# Altium PCB Pi4GPU_v1.PcbDoc (part 1 of 4) (continued)
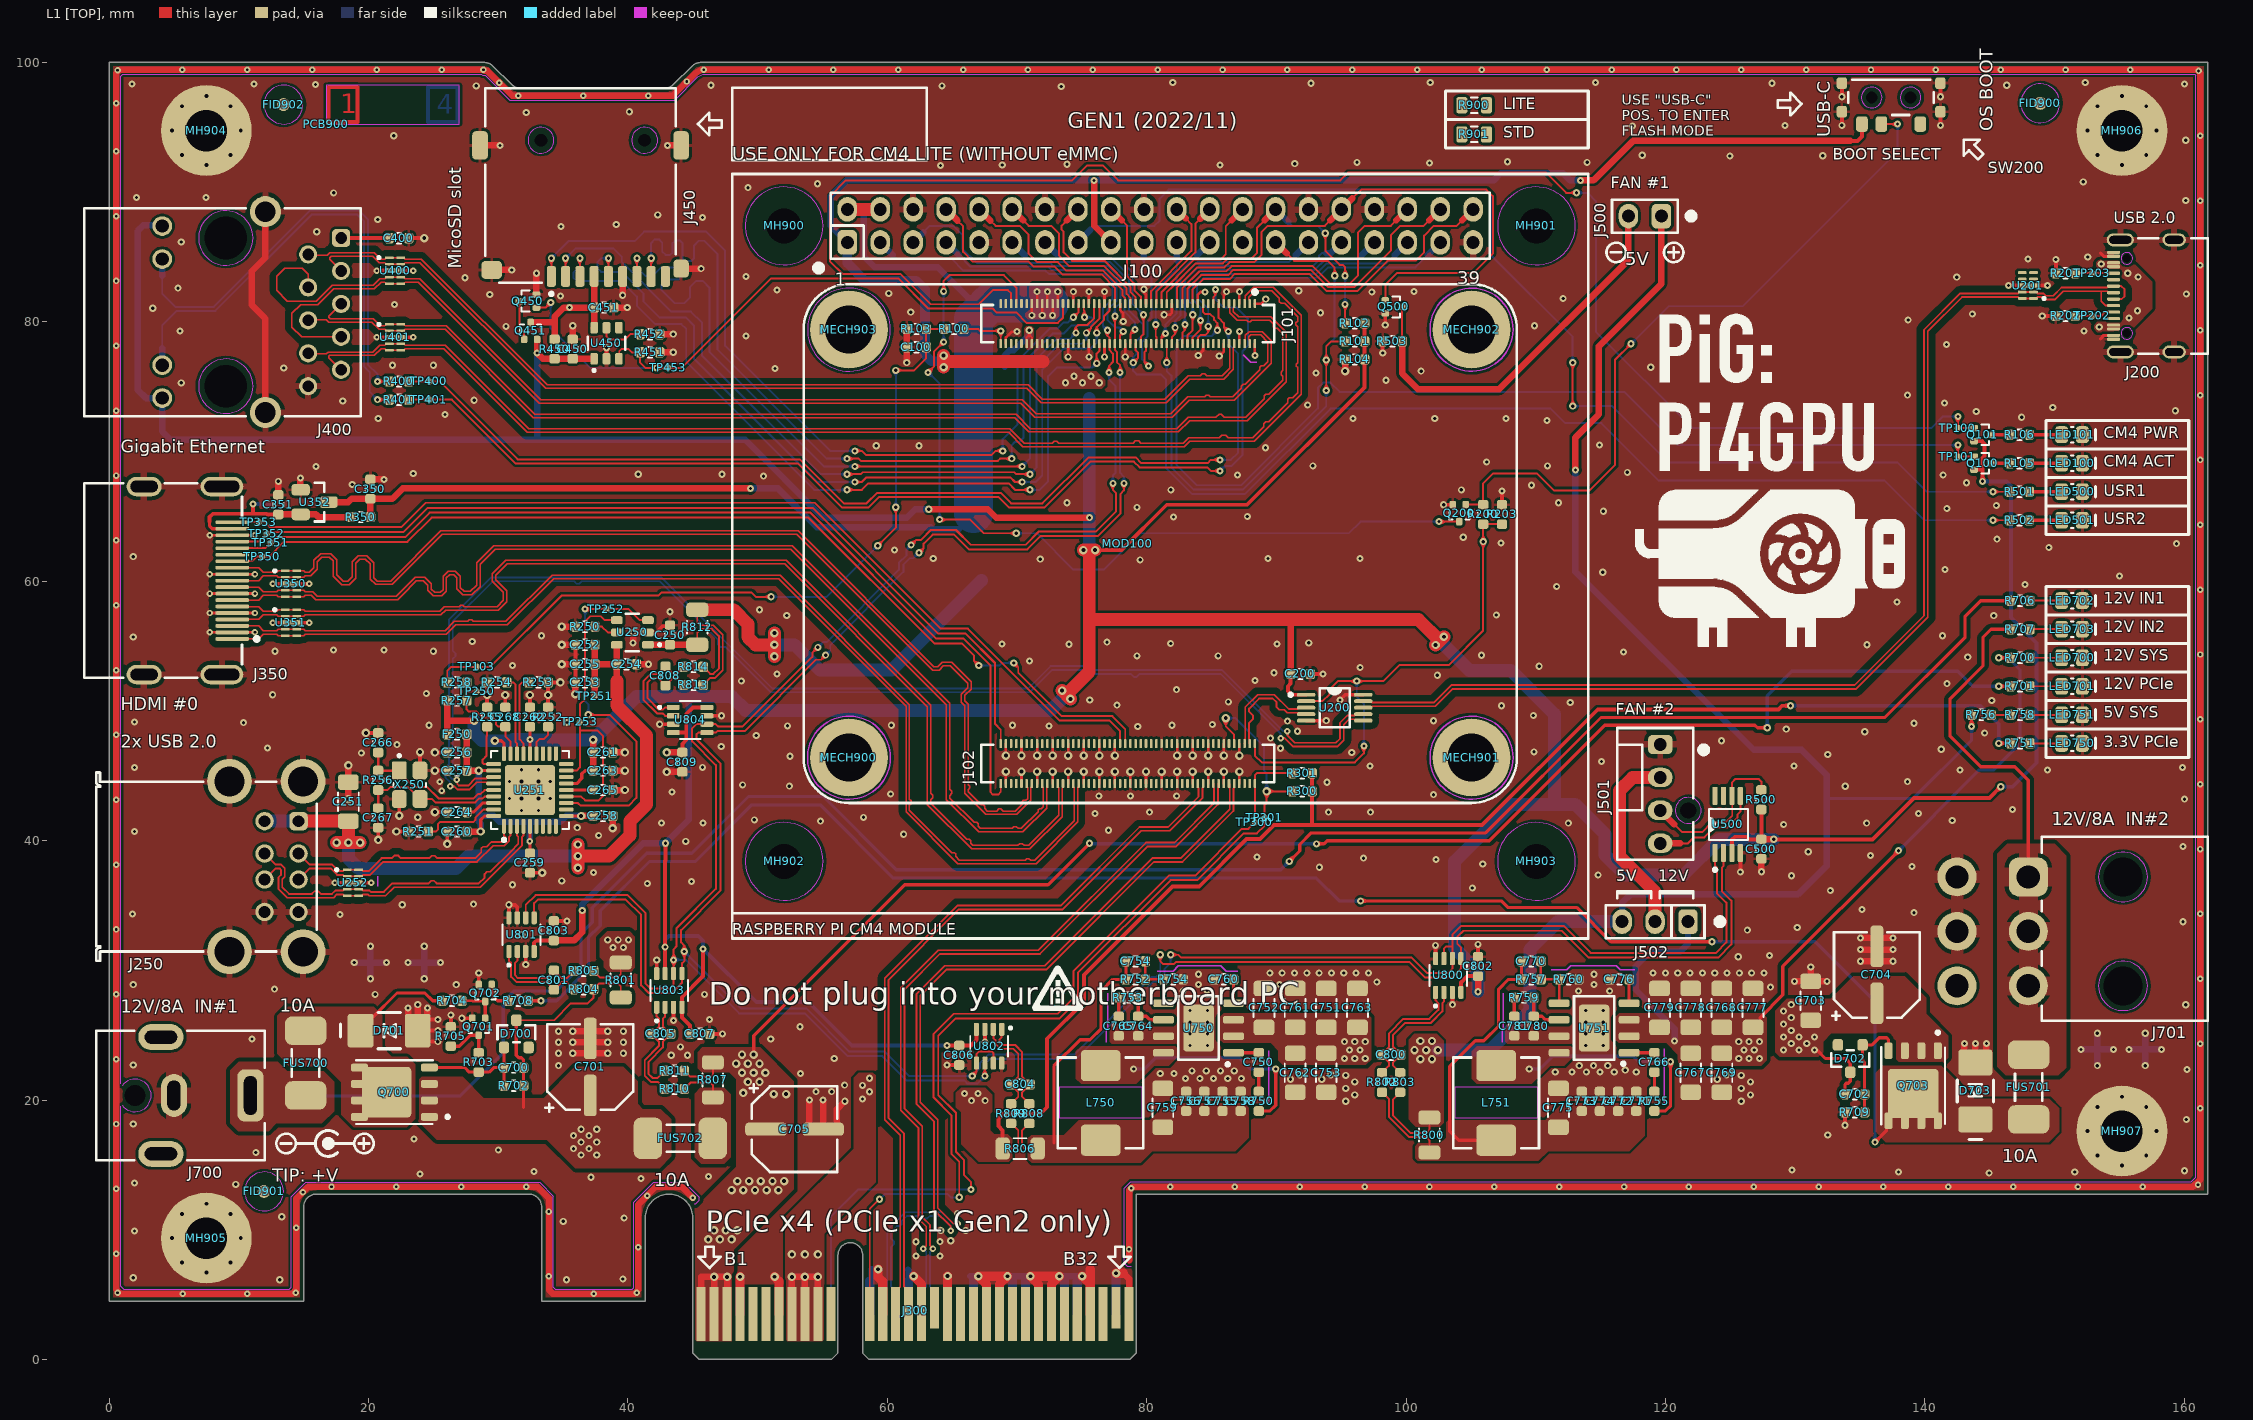
[diagram p0: L1 [TOP] view]
## Classes and differential pairs
component class NearPCBEdge: J200 J250 J350 J400 J450 J700 J701
net class SD: CM_SD_CLK CM_SD_CMD CM_SD_DAT0 CM_SD_DAT1 CM_SD_DAT2 CM_SD_DAT3
net class 12VDC: PP12000H_IN1 PP12000H_IN2 PP12000H_PCIE PP12000H_PCIE_R PP12000H_SYS PP12000H_SYS_R
differential pair class HDMI: CM_HDMI0_CLK CM_HDMI0_D0 CM_HDMI0_D1 CM_HDMI0_D2
differential pair class ETH: ETH_D0 ETH_D1 ETH_D2 ETH_D3
differential pair class PCIE: PCIe_CLK PCIe_RX PCIe_TX
differential pair class USB: CM_USB_D USB1 USB2 USB-C_D USB-H
differential pair USB-H: +USB-H_P -USB-H_N
differential pair USB-C_D: +USB-C_D_P -USB-C_D_N
differential pair USB2: +USB2_P -USB2_N
differential pair USB1: +USB1_P -USB1_N
differential pair PCIe_TX: +PCIe_TX_P -PCIe_TX_N
differential pair PCIe_RX: +PCIe_RX_P -PCIe_RX_N
differential pair PCIe_CLK: +PCIe_CLK_P -PCIe_CLK_N
differential pair ETH_D3: +ETH_D3_P -ETH_D3_N
differential pair ETH_D2: +ETH_D2_P -ETH_D2_N
differential pair ETH_D1: +ETH_D1_P -ETH_D1_N
differential pair ETH_D0: +ETH_D0_P -ETH_D0_N
differential pair CM_USB_D: +CM_USB_D_P -CM_USB_D_N
differential pair CM_HDMI0_D2: +CM_HDMI0_D2_P -CM_HDMI0_D2_N
differential pair CM_HDMI0_D1: +CM_HDMI0_D1_P -CM_HDMI0_D1_N
differential pair CM_HDMI0_D0: +CM_HDMI0_D0_P -CM_HDMI0_D0_N
differential pair CM_HDMI0_CLK: +CM_HDMI0_CLK_P -CM_HDMI0_CLK_N

## Components (designator, comment, footprint, x,y, rotation, side; value= is the part's Value field where it differs from the comment)
C100 "DNP" CAP_0603_R 62.25,78.05 r0 top
C200 "100nF" CAP_0603_R 91.85,52.85 r180 top
C250 "10uF" CAP_0603_R 43.25,55.85 r270 top
C251 "100uF/6V3" CAP_1206_R 18.45,43 r270 top
C252 "10uF" CAP_0603_R 36.7,55.1 r0 top
C253 "10uF" CAP_0603_R 36.7,52.2 r0 top
C254 "10uF" CAP_0603_R 39.9,53.6 r180 top
C255 "10uF" CAP_0603_R 36.7,53.6 r0 top
C256 "4u7" CAP_0603_R 26.825,46.8 r0 top
C257 "100nF" CAP_0603_R 26.825,45.4 r0 top
C258 "100nF" CAP_0603_R 38.075,41.9 r180 top
C259 "100nF" CAP_0603_R 32.45,38.275 r90 top
C260 "100nF" CAP_0603_R 26.825,40.7 r0 top
C261 "4u7" CAP_0603_R 38.075,46.8 r180 top
C262 "100nF" CAP_0603_R 32.45,49.525 r270 top
C263 "100nF" CAP_0603_R 38.075,45.4 r180 top
C264 "DNP" CAP_0603_R 26.825,42.2 r0 top
C265 "DNP" CAP_0603_R 38.075,43.9 r180 top
C266 "18pF" CAP_0603_R 20.75,47.55 r270 top
C267 "18pF" CAP_0603_R 20.75,41.75 r90 top
C268 "DNP" CAP_0603_R 30.55,49.525 r270 top
C350 "100nF" CAP_0603_R 20.15,67.1 r270 top
C351 "100nF" CAP_0603_R 13.05,65.9 r270 top
C400 "100nF" CAP_0603_R 22.35,86.45 r180 top
C450 "10uF" CAP_0603_R 35.75,77.9 r270 top
C451 "10uF" CAP_0603_R 38.15,81.1 r180 top
C500 "100nF" CAP_0603_R 127.4,39.35 r90 top
C700 "100nF/50V" CAP_0603_R 31.2,22.5 r0 top
C701 "220uF/25V" CAP_SMD_SIZE_D8 37.1,22.55 r180 top locked
C702 "100nF/50V" CAP_0603_R 134.6,20.45 r180 top
C703 "10uF/35V" CAP_1206_R 131.2,27.65 r270 top
C704 "220uF/25V" CAP_SMD_SIZE_D8 136.3,29.65 r180 top
C705 "220uF/25V" CAP_SMD_SIZE_D8 52.85,17.75 r90 top locked
C750 "100nF" CAP_0603_R 88.65,22.9 r270 top
C751 "10uF/35V" CAP_1206_R 93.85,27.1 r270 top
C752 "10uF/35V" CAP_1206_R 89.05,27.1 r270 top
C753 "10uF/35V" CAP_1206_R 93.85,22.1 r90 top
C754 "DNP" CAP_0603_R 79.15,30.7 r180 top
C755 "10uF/10V" CAP_0603_R 85.85,19.9 r270 top
C756 "10uF/10V" CAP_0603_R 83.05,19.9 r270 top
C757 "10uF/10V" CAP_0603_R 84.45,19.9 r270 top
C758 "10uF/10V" CAP_0603_R 87.25,19.9 r270 top
C759 "100uF/10V" CAP_1206_R 81.25,19.4 r270 top
C760 "100nF" CAP_0603_R 85.95,29.3 r0 top
C761 "10uF/35V" CAP_1206_R 91.45,27.1 r270 top
C762 "10uF/35V" CAP_1206_R 91.45,22.1 r90 top
C763 "10uF/35V" CAP_1206_R 96.25,27.1 r270 top
C764 "DNP" CAP_0603_R 79.35,25.7 r90 top
C765 "1.2nF" CAP_0603_R 77.85,25.7 r90 top
C766 "100nF" CAP_0603_R 119.15,22.9 r270 top
C767 "10uF/35V" CAP_1206_R 121.95,22.1 r90 top
C768 "10uF/35V" CAP_1206_R 124.35,27.1 r270 top
C769 "10uF/35V" CAP_1206_R 124.35,22.1 r90 top
C770 "DNP" CAP_0603_R 109.65,30.7 r180 top
C771 "10uF/10V" CAP_0603_R 117.75,19.9 r270 top
C772 "10uF/10V" CAP_0603_R 116.35,19.9 r270 top
C773 "10uF/10V" CAP_0603_R 113.55,19.9 r270 top
C774 "10uF/10V" CAP_0603_R 114.95,19.9 r270 top
C775 "100uF/10V" CAP_1206_R 111.75,19.4 r270 top
C776 "100nF" CAP_0603_R 116.45,29.3 r0 top
C777 "10uF/35V" CAP_1206_R 126.75,27.1 r270 top
C778 "10uF/35V" CAP_1206_R 121.95,27.1 r270 top
C779 "10uF/35V" CAP_1206_R 119.55,27.1 r270 top
C780 "DNP" CAP_0603_R 109.85,25.7 r90 top
C781 "1.2nF" CAP_0603_R 108.35,25.7 r90 top
C800 "DNP" CAP_0603_R 98.85,23.5 r0 top
C801 "DNP" CAP_0603_R 34.3,29.25 r90 top
C802 "100nF" CAP_0603_R 105.55,30.3 r270 top
C803 "100nF" CAP_0603_R 34.3,33.05 r270 top
C804 "DNP" CAP_0603_R 70.25,21.2 r180 top
C805 "DNP" CAP_0603_R 42.55,25.1 r0 top
C806 "100nF" CAP_0603_R 65.55,23.45 r90 top
C807 "100nF" CAP_0603_R 45.55,25.1 r180 top
C808 "DNP" CAP_0603_R 42.9,52.7 r90 top
C809 "100nF" CAP_0603_R 44.2,46.05 r90 top
D700 "12V" PKG_SOT23-3_TO236 31.4,25.1 r0 top
D701 "SMAJ12A" DIO_SMA_UNI_R 21.6,25.35 r0 top locked
D702 "12V" PKG_SOT23-3_TO236 134.25,23.2 r180 top
D703 "SMAJ12A" DIO_SMA_UNI_R 143.9,20.7 r90 top
F250 "120 Ohm" FER_0603_R 26.825,48.2 r0 top
FID900 "Fiducial" PCB_FID_RND_100x300 148.9,96.85 r0 top
FID901 "Fiducial" PCB_FID_RND_100x300 11.95,12.95 r0 top
FID902 "Fiducial" PCB_FID_RND_100x300 13.45,96.75 r0 top
FID903 "Fiducial" PCB_FID_RND_100x300 148.9,96.85 r180 bottom
FID904 "Fiducial" PCB_FID_RND_100x300 13.45,96.75 r90 bottom
FID905 "Fiducial" PCB_FID_RND_100x300 11.95,12.95 r90 bottom
FUS700 "10A/125VDC" FUS_2410_R 15.15,22.85 r90 top
FUS701 "10A/125VDC" FUS_2410_R 148,21 r270 top
FUS702 "10A/125VDC" FUS_2410_R 44.05,17.05 r0 top
J100 "40pin (2x20pin)" CON_HDR_P254_2X20M_STR 81.05,87.4 r0 top locked
J101 "Mezzanine, 100pin, 3.0mm" PCB_BLANK_COMP_SMD 92.5,75.95 r0 top
J102 "Mezzanine, 100pin, 3.0mm" PCB_BLANK_COMP_SMD 92.5,42.05 r0 top
J200 "U262-161N-4BVC11" CON_XKB_U262-161N-4BVC11 158.15,82 r90 top locked
J250 "USB Type A (Dual)" CON_USB_TYPE_A_2X 7.5,38 r270 top locked
J300 "Card Edge (PCIE X4)" PCB_CARD_EDGE_PCIE_64P 45.65,3.5 r0 top locked
J350 "Standdard HDMI (Type A)" CON_HDMI_STD 4.175,60.05 r270 top locked
J400 "HY911130A" CON_WRT_7499110122 8.75,80.75 r270 top locked
J450 "MicroSD Card (Slot)" CON_GCT_MEM2055_R 36.35,90.5 r180 top locked
J500 "CON HDR 1x2" CON_HDR_P254_1X02_STR 118.42,88.15 r180 top
J501 "MLX 470531000" CON_MLX_470531000 119.6,43.6 r270 top locked
J502 "HDR 1x3" CON_HDR_P254_1X03_STR_JMP 119.2,33.75 r180 top
J700 "8A, 2.0mm" CON_CUI_PJ-063AH 5,20.35 r0 top locked
J701 "039-30-1060" CON_MLX_039301060 152.45,33 r90 top locked
L750 "3.3uH" IND_SUM_0624CDMCCDS_700X660X240_R 76.45,19.775 r270 top
L751 "3.3uH" IND_SUM_0624CDMCCDS_700X660X240_R 106.95,19.775 r270 top
LED100 "Green" LED_0805_GRN_R 151.35,69.1 r180 top
LED101 "Red" LED_0805_RED_R 151.35,71.3 r180 top
LED500 "Green" LED_0805_GRN_R 151.35,66.9 r180 top
LED501 "Red" LED_0805_RED_R 151.35,64.7 r180 top
LED700 "Green" LED_0805_GRN_R 151.35,54.1 r180 top
LED701 "Green" LED_0805_GRN_R 151.35,51.9 r180 top
LED702 "Green" LED_0805_GRN_R 151.35,58.5 r180 top
LED703 "Green" LED_0805_GRN_R 151.35,56.3 r180 top
LED750 "Green" LED_0805_GRN_R 151.35,47.5 r180 top
LED751 "Green" LED_0805_GRN_R 151.35,49.7 r180 top
MECH900 "M2.5, L = 3.0mm" PCB_WRT_9774030151 57.05,46.4 r180 top locked value="M2.5, L = 3.0mm"
MECH901 "M2.5, L = 3.0mm" PCB_WRT_9774030151 105.05,46.4 r180 top locked value="M2.5, L = 3.0mm"
MECH902 "M2.5, L = 3.0mm" PCB_WRT_9774030151 105.05,79.4 r180 top locked value="M2.5, L = 3.0mm"
MECH903 "M2.5, L = 3.0mm" PCB_WRT_9774030151 57.05,79.4 r180 top locked value="M2.5, L = 3.0mm"
MH900 "H270_C600" PCB_MH_H270_C600 52.05,87.4 r90 top locked
MH901 "H270_C600" PCB_MH_H270_C600 110.05,87.4 r90 top locked
MH902 "H270_C600" PCB_MH_H270_C600 52.05,38.4 r90 top locked
MH903 "H270_C600" PCB_MH_H270_C600 110.05,38.4 r90 top locked
MH904 "H320_C700" PCB_MH_H320_C700 7.5,94.75 r0 top locked
MH905 "H320_C700" PCB_MH_H320_C700 7.5,9.35 r0 top locked
MH906 "H320_C700" PCB_MH_H320_C700 155.2,94.75 r0 top locked
MH907 "H320_C700" PCB_MH_H320_C700 155.2,17.6 r0 top
MOD100 "RPi CM4 Module" MOD_RPI_CM4_SOCKET_P40_C300 81.05,62.9 r90 top
PCB900 "PCB_LAYER_STACKUP" PCB_STACKUP-4L 16.75,95.25 r0 top
Q100 "DTA143ZE" PKG_SOT523_SC75_SOT416_P100_R 144.45,69.1 r270 top
Q101 "DTA143ZE" PKG_SOT523_SC75_SOT416_P100_R 144.45,71.3 r270 top
Q200 "DTC143ZE" PKG_SOT523_SC75_SOT416_P100_R 104.1,65.25 r180 top
Q450 "DTC143ZE" PKG_SOT523_SC75_SOT416_P100_R 32.3,81.6 r90 top
Q451 "DTA143ZE" PKG_SOT523_SC75_SOT416_P100_R 32.5,79.3 r0 top
Q500 "DTC143ZE" PKG_SOT523_SC75_SOT416_P100_R 99.05,81.15 r270 top
Q700 "PMOS" ICC_SO8_POWERPAK_490X590X112_P127_R 22,20.6 r90 top
Q701 "DTC143ZE" PKG_SOT523_SC75_SOT416_P100_R 28.5,25.65 r180 top
Q702 "DTC143ZE" PKG_SOT523_SC75_SOT416_P100_R 29,28.25 r180 top
Q703 "PMOS" ICC_SO8_POWERPAK_490X590X112_P127_R 139.1,21.1 r180 top
R100 "100R" RES_0603_R 65.15,79.45 r180 top
R101 "2k" RES_0603_R 96.05,78.5 r0 top
R102 "2k" RES_0603_R 96.05,79.9 r0 top
R103 "10k" RES_0603_R 62.25,79.45 r0 top
R104 "2k" RES_0603_R 96.05,77.1 r0 top
R105 "15k" RES_0603_R 147.3,69.1 r180 top
R106 "2k" RES_0603_R 147.3,71.3 r180 top
R200 "1k" RES_0603_R 105.95,65.15 r90 top
R201 "5k1" RES_0603_R 150.85,83.75 r180 top
R202 "5k1" RES_0603_R 150.85,80.45 r180 top
R203 "10k" RES_0603_R 107.4,65.15 r270 top
R250 "12k" RES_0603_R 36.7,56.5 r0 top
R251 "12k" RES_0603_R 23.85,40.7 r0 top
R252 "10k" RES_0603_R 33.85,49.525 r270 top
R253 "10k" RES_0603_R 33.1,52.2 r180 top
R254 "10k" RES_0603_R 29.9,52.2 r0 top
R255 "10k" RES_0603_R 29.15,49.525 r270 top
R256 "1M" RES_0603_R 20.75,44.65 r90 top
R257 "DNP" RES_0603_R 26.825,50.8 r180 top
R258 "100R" RES_0603_R 26.825,52.2 r180 top
R300 "DNP" RES_0603_R 92,43.8 r180 top
R301 "DNP" RES_0603_R 92,45.2 r180 top
R350 "0R" RES_0603_R 19.4,64.95 r0 top
R400 "470R" RES_0603_R 22.35,75.4 r180 top
R401 "470R" RES_0603_R 22.35,74 r180 top
R450 "0R" RES_0603_R 34.35,77.9 r270 top
R451 "10k" RES_0603_R 41.7,77.65 r180 top
R452 "24k" RES_0603_R 41.7,79.05 r180 top
R500 "36k" RES_0603_R 127.4,43.15 r270 top
R501 "15k" RES_0603_R 147.3,66.9 r0 top
R502 "2k" RES_0603_R 147.3,64.7 r0 top
R503 "DNP" RES_0603_R 98.95,78.5 r0 top
R700 "100k" RES_0603_R 147.35,54.1 r180 top
R701 "100k" RES_0603_R 147.35,51.9 r180 top
R702 "100k" RES_0603_R 31.2,21.1 r0 top
R703 "15k" RES_0603_R 28.5,22.9 r270 top
R704 "5k1" RES_0603_R 26.45,27.65 r0 top
R705 "0R" RES_0603_R 26.35,24.9 r270 top
R706 "100k" RES_0603_R 147.35,58.5 r180 top
R707 "100k" RES_0603_R 147.35,56.3 r180 top
R708 "5k1" RES_0603_R 31.55,27.65 r180 top
R709 "15k" RES_0603_R 134.6,19.05 r0 top
R750 "10R" RES_0603_R 88.65,19.9 r270 top
R751 "15k" RES_0603_R 147.35,47.5 r180 top
R752 "47k" RES_0603_R 79.15,29.3 r180 top
R753 "12k" RES_0603_R 78.6,27.9 r0 top
R754 "15k" RES_0603_R 82.05,29.3 r180 top
R755 "10R" RES_0603_R 119.15,19.9 r270 top
R756 "15k" RES_0603_R 144.35,49.7 r180 top
R757 "12k" RES_0603_R 109.65,29.3 r180 top
R758 "15k" RES_0603_R 147.35,49.7 r180 top
R759 "20k" RES_0603_R 109.1,27.9 r0 top
R760 "2k26" RES_0603_R 112.55,29.3 r180 top
R800 "0.012R" RES_1206_R 101.8,17.3 r90 top
R801 "0.016R" RES_1206_R 39.45,29.25 r90 top
R802 "0R" RES_0603_R 98.15,21.35 r270 top
R803 "0R" RES_0603_R 99.55,21.35 r270 top
R804 "0R" RES_0603_R 36.6,28.55 r0 top
R805 "0R" RES_0603_R 36.6,29.95 r0 top
R806 "0.012R" RES_1206_R 70.25,16.25 r180 top
R807 "0.004R" RES_1206_R 46.55,21.55 r90 top
R808 "0R" RES_0603_R 70.95,18.95 r270 top
R809 "0R" RES_0603_R 69.55,18.95 r270 top
R810 "0R" RES_0603_R 43.6,20.85 r0 top
R811 "0R" RES_0603_R 43.6,22.25 r0 top
R812 "0.012R" RES_1206_R 45.35,56.45 r270 top
R813 "0R" RES_0603_R 45.05,52 r0 top
R814 "0R" RES_0603_R 45.05,53.4 r0 top
R900 "0R" RES_0805_R 105.25,96.7 r0 top
R901 "0R" RES_0805_R 105.25,94.45 r0 top
SW200 "Slide switch" SWI_XKB_SS-3292S-L1 137.4,97.3 r180 top locked
TP100 "DEBUG" PCB_TP_DBG_50 142.55,71.8 r270 top
TP101 "DEBUG" PCB_TP_DBG_50 142.55,69.6 r270 top
TP102 "DEBUG" PCB_TP_DBG_50 68.75,78.45 r270 bottom
TP103 "DEBUG" PCB_TP_DBG_50 28.35,53.4 r270 top
TP104 "DEBUG" PCB_TP_DBG_50 83.975,63.7 r180 bottom
TP105 "DEBUG" PCB_TP_DBG_50 94.5,79.85 r270 bottom
TP106 "DEBUG" PCB_TP_DBG_50 95.3,82.45 r270 bottom
TP107 "DEBUG" PCB_TP_DBG_50 65.591,82.516 r180 bottom
TP108 "DEBUG" PCB_TP_DBG_50 75.575,68.237 r180 bottom
TP109 "DEBUG" PCB_TP_DBG_50 70.4,78.45 r270 bottom
TP110 "DEBUG" PCB_TP_DBG_50 15.3,92.2 r270 bottom
TP111 "DEBUG" PCB_TP_DBG_50 147.45,16.2 r180 bottom
TP112 "ICT" PCB_TP_ICT_100 75.575,72.187 r270 bottom locked
TP113 "ICT" PCB_TP_ICT_100 69.05,76.55 r270 bottom locked
TP200 "DEBUG" PCB_TP_DBG_50 105.95,61.95 r0 bottom
TP201 "DEBUG" PCB_TP_DBG_50 101.45,64.6 r0 bottom
TP202 "DEBUG" PCB_TP_DBG_50 152.9,80.45 r90 top
TP203 "DEBUG" PCB_TP_DBG_50 152.9,83.75 r90 top
TP204 "ICT" PCB_TP_ICT_100 156.7,82.15 r90 bottom locked
TP250 "DEBUG" PCB_TP_DBG_50 28.35,51.5 r90 top
TP251 "DEBUG" PCB_TP_DBG_50 37.45,51.15 r90 top
TP252 "DEBUG" PCB_TP_DBG_50 38.35,57.85 r90 top
TP253 "DEBUG" PCB_TP_DBG_50 36.3,49.15 r90 top
TP254 "ICT" PCB_TP_ICT_100 34.35,38.8 r0 bottom locked
TP300 "DEBUG" PCB_TP_DBG_50 88.35,41.4 r0 top
TP301 "DEBUG" PCB_TP_DBG_50 89.1,41.75 r270 top
TP350 "DEBUG" PCB_TP_DBG_50 11.8,61.9 r0 top
TP351 "DEBUG" PCB_TP_DBG_50 12.45,62.95 r0 top
TP352 "DEBUG" PCB_TP_DBG_50 12.15,63.65 r0 top
TP353 "DEBUG" PCB_TP_DBG_50 11.55,64.55 r0 top
TP354 "ICT" PCB_TP_ICT_100 12.5,65.95 r270 bottom locked
TP400 "DEBUG" PCB_TP_DBG_50 24.7,75.4 r0 top
TP401 "DEBUG" PCB_TP_DBG_50 24.7,74 r0 top
TP450 "DEBUG" PCB_TP_DBG_50 37.45,83.15 r270 bottom
TP451 "ICT" PCB_TP_ICT_100 36.85,81.1 r270 bottom locked
TP452 "DEBUG" PCB_TP_DBG_50 38.902,83.857 r270 bottom
TP453 "DEBUG" PCB_TP_DBG_50 43.1,76.45 r270 top
TP700 "ICT" PCB_TP_ICT_100 157,23.9 r270 bottom locked
TP701 "ICT" PCB_TP_ICT_100 153.3,23.9 r270 bottom locked
TP702 "ICT" PCB_TP_ICT_100 24.3,30.6 r90 bottom locked
TP703 "ICT" PCB_TP_ICT_100 20.15,30.6 r90 bottom locked
TP704 "ICT" PCB_TP_ICT_100 16.15,19.25 r0 bottom locked
TP705 "ICT" PCB_TP_ICT_100 14.15,21.2 r270 bottom locked
TP706 "ICT" PCB_TP_ICT_100 149.25,21.75 r0 bottom locked
TP707 "ICT" PCB_TP_ICT_100 147.3,24.65 r0 bottom locked
TP708 "ICT" PCB_TP_ICT_100 38.3,30.75 r0 bottom locked
TP709 "ICT" PCB_TP_ICT_100 40.95,30.75 r0 bottom locked
TP710 "ICT" PCB_TP_ICT_100 46.9,11.55 r0 bottom locked
TP711 "ICT" PCB_TP_ICT_100 49.8,11.55 r0 bottom locked
TP750 "ICT" PCB_TP_ICT_100 66.7,66.55 r270 bottom locked
TP751 "ICT" PCB_TP_ICT_100 66.7,63 r180 bottom locked
TP752 "ICT" PCB_TP_ICT_100 50.75,7.85 r90 bottom locked
TP753 "ICT" PCB_TP_ICT_100 157.15,43.45 r90 bottom locked
TP754 "ICT" PCB_TP_ICT_100 53.15,9.15 r90 bottom locked
TP755 "ICT" PCB_TP_ICT_100 152.75,43.45 r90 bottom locked
U200 "FSUSB42" ICC_MSOP10_300X300H110_P50_R 94.5,50.25 r270 top locked
U201 "RCLAMP0524PA" ICC_SLP2510P8_250X100X60_P50_R 147.95,82.8 r90 top
U250 "AP2553W6-7" PKG_SOT23-6 40.35,56.05 r90 top locked
U251 "USB2512B" ICC_QFN36_600X600X100_P50_EP_R 32.45,43.9 r0 top locked
U252 "RCLAMP0524PA" ICC_SLP2510P8_250X100X60_P50_R 18.8,36.75 r270 top locked
U350 "RCLAMP0524PA" ICC_SLP2510P8_250X100X60_P50_R 14.025,59.8 r270 top
U351 "RCLAMP0524PA" ICC_SLP2510P8_250X100X60_P50_R 14.025,56.8 r270 top
U352 "AP2331" PKG_SOT23-3L_SC59_P190_R 15.85,66.1 r270 top
U400 "RCLAMP0524PA" ICC_SLP2510P8_250X100X60_P50_R 22.05,83.95 r270 top
U401 "RCLAMP0524PA" ICC_SLP2510P8_250X100X60_P50_R 22.05,78.8 r270 top
U450 "AP2553W6-7" PKG_SOT23-6 38.35,78.35 r0 top
U500 "EMC2301" ICC_TSSOP8_300X300X110P65 124.8,41.25 r0 top locked
U750 "AP64501SP-13" ICC_SOIC8N_TP_R 84,25.55 r90 top locked
U751 "AP64501SP-13" ICC_SOIC8N_TP_R 114.5,25.55 r90 top locked
U800 "INA219AIDCNR" ICC_SOT23-8_290X160X100P65 103.25,29.6 r0 top locked
U801 "INA219AIDCNR" ICC_SOT23-8_290X160X100P65 31.8,32.75 r0 top
U802 "INA219AIDCNR" ICC_SOT23-8_290X160X100P65 67.85,24.15 r180 top locked
U803 "INA219AIDCNR" ICC_SOT23-8_290X160X100P65 43.2,28.45 r0 top locked
U804 "INA219AIDCNR" ICC_SOT23-8_290X160X100P65 44.8,49.3 r270 top
X250 "24.000MHz" OSC_3225_4P_R 23.175,44.3 r270 top

## Footprints (in the part's own frame and the unit in brackets; to place one, negate y for a bottom-side part, rotate by r counter-clockwise, add the part's x,y. Pads: shape width x height; smd on the part's side, far side on the other; paste and mask are expansions set on the pad)
CAP_0603_R [mm]
  rrect50% 0.75x0.8 smd: 1(-0.75,0) 2(0.75,0)
  silkscreen extent -0.15,-0.4 0.15,0.4, body extent -0.8,-0.41 0.8,0.41, height 0.57
CAP_1206_R [mm]
  rrect40% 1.2x1.6 smd paste+0: 1(-1.5,0)
  rrect40% 1.2x1.6 smd: 2(1.5,0)
  silkscreen extent -0.7,-0.8 0.7,0.8, body extent -1.6,-0.8 1.6,0.8, height 0.79
CAP_SMD_SIZE_D8 [mm]
  rrect50% 1x3.2 smd: 1(0,-2.2) 2(0,2.2)
  silkscreen extent -3.3,-3.3 3.45,3.45, body extent -3.3,-3.5 3.3,3.5, height 7.71
CON_CUI_PJ-063AH [mm]
  rrect50% 2x4 hole 1 slot 3 at 90 deg: 1(5.9,0)
  oval 2x3.3 hole 1 slot 2.3 at 90 deg: 2(0,0)
  round 0 hole 1.6 unplated mask+0.1: MH(-3,0)
  oval 3.5x2 hole 1 slot 2.5 at 0 deg: SH(-1,-4.5) SH(-1,4.5)
  silkscreen extent -6,-5 7,5, body extent -6,-5.15 7,5.15, height 9.6
CON_GCT_MEM2055_R [mm]
  rrect50% 0.7x1.6 smd: 1(2.25,7) 2(1.15,7) 3(0.05,7) 4(-1.05,7) 5(-2.15,7) 6(-3.25,7) 7(-4.35,7) 8(-5.45,7) 9(-6.55,7)
  round 0 hole 1 unplated paste+0 mask+0.1: MH(-4.95,-3.5) MH(3.05,-3.5)
  rrect50% 1.2x1.4 smd: SH1(-7.75,6.4)
  rrect50% 1.2x2.2 smd: SH2(-7.75,-3.1) SH3(7.75,-3.1)
  rrect50% 1.6x1.4 smd: SH4(6.85,6.5)
  silkscreen extent -7.35,-7.5 7.35,8.47, body extent -8,-7.5 8,7.75, height 1.85
CON_HDMI_STD [mm] "HDMI SMT Horizontal"
  rrect75% 0.28x2.6 smd: 1(4.5,5.325) 2(4,5.325) 3(3.5,5.325) 4(3,5.325) 5(2.5,5.325) 6(2,5.325) 7(1.5,5.325) 8(1,5.325) 9(0.5,5.325) 10(0,5.325) 11(-0.5,5.325) 12(-1,5.325) 13(-1.5,5.325) 14(-2,5.325) 15(-2.5,5.325) 16(-3,5.325) 17(-3.5,5.325) 18(-4,5.325) 19(-4.5,5.325)
  oval 1.5x3.3 hole 0.9 slot 2.7 at 90 deg: SH(-7.25,4.525) SH(7.25,4.525)
  oval 1.5x2.7 hole 0.9 slot 2.1 at 90 deg: SH(-7.25,-1.475) SH(7.25,-1.475)
  silkscreen extent -7.5,-6.08 7.5,7.35, body extent -7.55,-6.07 7.45,6.08, height 6.17
CON_HDR_P254_1X02_STR [mm]
  rrect50% 1.5x1.9 hole 1: 1(-1.27,0)
  oval 1.5x1.9 hole 1: 2(1.27,0)
  silkscreen extent -3.81,-1.27 2.54,1.27, body extent -2.54,-1.27 2.54,1.27, height 8.57
CON_HDR_P254_1X03_STR_JMP [mm]
  rrect50% 1.5x1.9 hole 1: 1(-2.54,0)
  oval 1.5x1.9 hole 1: 2(0,0) 3(2.54,0)
  silkscreen extent -5.25,-1.27 3.81,1.28, body extent -3.81,-1.27 3.81,1.27, height 8.57
CON_HDR_P254_2X20M_STR [mm]
  rrect50% 1.5x1.9 hole 1: 1(-24.13,-1.275)
  oval 1.5x1.9 hole 1: 2(-24.13,1.275) 3(-21.59,-1.275) 4(-21.59,1.275) 5(-19.05,-1.275) 6(-19.05,1.275) 7(-16.51,-1.275) 8(-16.51,1.275) 9(-13.97,-1.275) 10(-13.97,1.275) 11(-11.43,-1.275) 12(-11.43,1.275) 13(-8.89,-1.275) 14(-8.89,1.275) 15(-6.35,-1.275) 16(-6.35,1.275) 17(-3.81,-1.275) 18(-3.81,1.275) 19(-1.27,-1.275) 20(-1.27,1.275) 21(1.27,-1.275) 22(1.27,1.275) 23(3.81,-1.275) 24(3.81,1.275) 25(6.35,-1.275) 26(6.35,1.275) 27(8.89,-1.275) 28(8.89,1.275) 29(11.43,-1.275) 30(11.43,1.275) 31(13.97,-1.275) 32(13.97,1.275) 33(16.51,-1.275) 34(16.51,1.275) 35(19.05,-1.275) 36(19.05,1.275) 37(21.59,-1.275) 38(21.59,1.275) 39(24.13,-1.275) 40(24.13,1.275)
  silkscreen extent -26.6,-3.5 25.4,2.55, body extent -25.4,-2.54 25.4,2.54, height 8.59
CON_MLX_039301060 [mm]
  rrect50% 3x3 hole 1.8: 1(4.2,4.468)
  round 3 hole 1.8: 2(0,4.468) 3(-4.2,4.468) 4(4.2,9.968) 5(0,9.968) 6(-4.2,9.968)
  round 0 hole 3 unplated mask+0.1: MH(-4.2,-2.832) MH(4.2,-2.832)
  silkscreen extent -6.9,-9.35 7.3,3.45, body extent -6.9,-9.37 7.3,10.57, height 11.5
CON_MLX_470531000 [mm]
  rrect50% 1.5x1.9 hole 1: 1(-3.81,0)
  oval 1.5x1.9 hole 1: 2(-1.27,0) 3(1.27,0) 4(3.81,0)
  round 0 hole 1.25 unplated mask+0.1: MH(1.27,2.16)
  silkscreen extent -5.08,-3.3 5.08,3.6, body extent -5.1,-3.3 5.1,2.54, height 10.1
CON_USB_TYPE_A_2X [mm] "USB 2.0 Type A Horizontal Dual Stacked"
  rrect50% 1.42x1.42 hole 0.9: 1(-3.5,7.11)
  round 1.42 hole 0.9: 2(-1,7.11) 3(1,7.11) 4(3.5,7.11) 5(-3.5,4.49) 6(-1,4.49) 7(1,4.49) 8(3.5,4.49)
  round 3.45 hole 2.3: SH1(-6.57,7.46) SH2(6.57,7.46) SH3(-6.57,1.78) SH4(6.57,1.78)
  silkscreen extent -7.25,-8.5 7.25,8.5, body extent -7.91,-8.5 7.91,8.65, height 15.99
CON_WRT_7499110122 [mm] "LAN Transformer, body 21.3x16.04mm"
  rrect50% 1.4x1.4 hole 0.9: 1(-5.715,9.14)
  round 1.4 hole 0.9: 2(-4.445,6.6) 3(-3.175,9.14) 4(-1.905,6.6) 5(-0.635,9.14) 6(0.635,6.6) 7(1.905,9.14) 8(3.175,6.6) 9(4.445,9.14) 10(5.715,6.6)
  round 1.52 hole 1.02: 11(-6.63,-4.65) 12(-4.09,-4.65) 13(4.09,-4.65) 14(6.63,-4.65)
  round 0 hole 3.3 unplated mask+0.1: MH1(-5.715,0.25) MH2(5.715,0.25)
  round 2.4 hole 1.6: SH(-7.745,3.3) SH(7.745,3.3)
  silkscreen extent -8.02,-10.65 8.02,10.65, body extent -8.22,-10.65 8.22,10.65, height 13.7
CON_XKB_U262-161N-4BVC11 [mm]
  rrect75% 0.25x1 smd: A1(-3.35,3.6) A4(-2.55,3.6) A5(-1.25,3.6) A6(-0.25,3.6) A7(0.25,3.6) A8(1.25,3.6) A9(2.55,3.6) A12(3.35,3.6) B1(3.05,3.6) B4(2.25,3.6) B5(1.75,3.6) B6(0.75,3.6) B7(-0.75,3.6) B8(-1.75,3.6) B9(-2.25,3.6) B12(-3.05,3.6)
  round 0 hole 0.65 unplated mask+0.1: MH1(-2.89,2.575) MH2(2.89,2.575)
  rrect100% 1x1.8 hole 1.4 slot 0.6 at 0 deg: SH(-4.32,-1.075) SH(4.32,-1.075)
  rrect100% 1x2.1 hole 1.7 slot 0.6 at 0 deg: SH(-4.32,3.075) SH(4.32,3.075)
  silkscreen extent -4.45,-3.65 4.45,1.67, body extent -4.45,-3.66 4.45,3.9, height 3.3
DIO_SMA_UNI_R [mm]
  rrect20% 2x2.6 smd: 1(-2.2,0)
  rrect20% 2x2.6 smd paste+0: 2(2.2,0)
  silkscreen extent -3.75,-1.4 0.85,1.4, body extent -2.74,-1.4 2.74,1.4, height 2.24
FER_0603_R [mm]
  rrect50% 0.75x0.8 smd: 1(-0.75,0) 2(0.75,0)
  silkscreen extent -0.15,-0.4 0.15,0.4, body extent -0.8,-0.4 0.8,0.4, height 0.8
FUS_2410_R [mm]
  rrect50% 2.2x3.2 smd: 1(-2.5,0) 2(2.5,0)
  silkscreen extent -1.05,-1.05 1.06,1.05, body extent -3.05,-1.27 3.05,1.27, height 2.54
ICC_MSOP10_300X300H110_P50_R [mm]
  rrect75% 0.3x1.4 smd: 1(-1,-2.2) 2(-0.5,-2.2) 3(0,-2.2) 4(0.5,-2.2) 5(1,-2.2) 6(1,2.2) 7(0.5,2.2) 8(0,2.2) 9(-0.5,2.2) 10(-1,2.2)
  silkscreen extent -1.5,-3.52 1.5,1.15, body extent -1.5,-2.45 1.5,2.45, height 1.1
ICC_QFN36_600X600X100_P50_EP_R [mm]
  rrect75% 0.3x1.15 smd: 1(-2,-2.8) 2(-1.5,-2.8) 3(-1,-2.8) 4(-0.5,-2.8) 5(0,-2.8) 6(0.5,-2.8) 7(1,-2.8) 8(1.5,-2.8) 9(2,-2.8) 19(2,2.8) 20(1.5,2.8) 21(1,2.8) 22(0.5,2.8) 23(0,2.8) 24(-0.5,2.8) 25(-1,2.8) 26(-1.5,2.8) 27(-2,2.8)
  rrect75% 1.15x0.3 smd: 10(2.8,-2) 11(2.8,-1.5) 12(2.8,-1) 13(2.8,-0.5) 14(2.8,0) 15(2.8,0.5) 16(2.8,1) 17(2.8,1.5) 18(2.8,2) 28(-2.8,2) 29(-2.8,1.5) 30(-2.8,1) 31(-2.8,0.5) 32(-2.8,0) 33(-2.8,-0.5) 34(-2.8,-1) 35(-2.8,-1.5) 36(-2.8,-2)
  rrect10% 3.85x3.85 smd paste-10: EP(0,0)
  silkscreen extent -3,-3.97 3,3, body extent -3.05,-3.05 3.05,3.05, height 1
ICC_SLP2510P8_250X100X60_P50_R [mm]
  rrect50% 0.2x0.675 smd: 1(-1,-0.437) 2(-0.5,-0.437) 4(0.5,-0.437) 5(1,-0.437) 6(1,0.437) 7(0.5,0.437) 9(-0.5,0.437) 10(-1,0.437)
  rrect50% 0.4x0.775 smd: 3(0,-0.387) 8(0,0.387)
  silkscreen extent -1.1,-1.35 -0.9,-1.15, body extent -1.25,-0.5 1.25,0.51, height 0.56
ICC_SO8_POWERPAK_490X590X112_P127_R [mm]
  rrect50% 0.6x1.3 smd: 1(-1.905,-2.7) 2(-0.635,-2.7) 3(0.635,-2.7) 4(1.905,-2.7) 5(1.905,2.7) 6(0.635,2.7) 7(-0.635,2.7) 8(-1.905,2.7)
  rrect15% 3.9x3.8 smd paste-10: EP(0,0.6)
  silkscreen extent -2.45,-4.23 2.45,2.95, body extent -2.58,-3.07 2.58,3.08, height 1.04
ICC_SOIC8N_TP_R [mm]
  rrect50% 0.6x1.6 smd: 1(-1.905,-2.7) 2(-0.635,-2.7) 3(0.635,-2.7) 4(1.905,-2.7) 5(1.905,2.7) 6(0.635,2.7) 7(-0.635,2.7) 8(-1.905,2.7)
  rrect20% 3.6x2.35 smd: EP(0,0)
  silkscreen extent -2.92,-2.38 2.45,1.55, body extent -2.45,-3 2.45,3, height 1.75
ICC_SOT23-8_290X160X100P65 [mm]
  rrect50% 0.4x1 smd: 1(-0.975,-1.3) 2(-0.325,-1.3) 3(0.325,-1.3) 4(0.975,-1.3) 5(0.975,1.3) 6(0.325,1.3) 7(-0.325,1.3) 8(-0.975,1.3)
  silkscreen extent -1.45,-2.45 1.45,0.8, body extent -1.45,-1.48 1.45,1.48, height 1.1
ICC_TSSOP8_300X300X110P65 [mm] "TSOP, 8-pin, Body 3.00x3.00mm, Pitch 0.65mm"
  rrect50% 0.4x1.4 smd: 1(-0.975,-2.2) 2(-0.325,-2.2) 3(0.325,-2.2) 4(0.975,-2.2) 5(0.975,2.2) 6(0.325,2.2) 7(-0.325,2.2) 8(-0.975,2.2)
  silkscreen extent -1.46,-3.62 1.55,1.2, body extent -1.5,-2.45 1.5,2.45, height 1.1
IND_SUM_0624CDMCCDS_700X660X240_R [mm] "Molded Inductor, 2-Leads, Body 7,00x6,60mm, IPC Medium Density"
  rrect25% 2.4x3.05 smd: 1(-2.875,0) 2(2.875,0)
  silkscreen extent -3.5,-3.3 3.5,3.3, body extent -3.72,-3.3 3.72,3.3, height 2.4
LED_0805_GRN_R [mm]
  rrect50% 1x1.3 smd: 1(-0.8,0) 2(0.8,0)
  silkscreen extent -1.8,-0.6 0.1,0.6, body extent -1.01,-0.63 1.01,0.62, height 1.1
LED_0805_RED_R [mm]
  rrect50% 1x1.3 smd: 1(-0.8,0) 2(0.8,0)
  silkscreen extent -1.8,-0.6 0.1,0.6, body extent -1.01,-0.63 1.01,0.62, height 1.1
MOD_RPI_CM4_SOCKET_P40_C300 [mm]
  rrect75% 0.7x0.2 smd: 1(18.5,-7.3) 2(15.42,-7.3) 3(18.5,-6.9) 4(15.42,-6.9) 5(18.5,-6.5) 6(15.42,-6.5) 7(18.5,-6.1) 8(15.42,-6.1) 9(18.5,-5.7) 10(15.42,-5.7) 11(18.5,-5.3) 12(15.42,-5.3) 13(18.5,-4.9) 14(15.42,-4.9) 15(18.5,-4.5) 16(15.42,-4.5) 17(18.5,-4.1) 18(15.42,-4.1) 19(18.5,-3.7) 20(15.42,-3.7) 21(18.5,-3.3) 22(15.42,-3.3) 23(18.5,-2.9) 24(15.42,-2.9) 25(18.5,-2.5) 26(15.42,-2.5) 27(18.5,-2.1) 28(15.42,-2.1) 29(18.5,-1.7) 30(15.42,-1.7) 31(18.5,-1.3) 32(15.42,-1.3) 33(18.5,-0.9) 34(15.42,-0.9) 35(18.5,-0.5) 36(15.42,-0.5) 37(18.5,-0.1) 38(15.42,-0.1) 39(18.5,0.3) 40(15.42,0.3) 41(18.5,0.7) 42(15.42,0.7) 43(18.5,1.1) 44(15.42,1.1) 45(18.5,1.5) 46(15.42,1.5) 47(18.5,1.9) 48(15.42,1.9) 49(18.5,2.3) 50(15.42,2.3) 51(18.5,2.7) 52(15.42,2.7) 53(18.5,3.1) 54(15.42,3.1) 55(18.5,3.5) 56(15.42,3.5) 57(18.5,3.9) 58(15.42,3.9) 59(18.5,4.3) 60(15.42,4.3) 61(18.5,4.7) 62(15.42,4.7) 63(18.5,5.1) 64(15.42,5.1) 65(18.5,5.5) 66(15.42,5.5) 67(18.5,5.9) 68(15.42,5.9) 69(18.5,6.3) 70(15.42,6.3) 71(18.5,6.7) 72(15.42,6.7) 73(18.5,7.1) 74(15.42,7.1) 75(18.5,7.5) 76(15.42,7.5) 77(18.5,7.9) 78(15.42,7.9) 79(18.5,8.3) 80(15.42,8.3) 81(18.5,8.7) 82(15.42,8.7) 83(18.5,9.1) 84(15.42,9.1) 85(18.5,9.5) 86(15.42,9.5) 87(18.5,9.9) 88(15.42,9.9) 89(18.5,10.3) 90(15.42,10.3) 91(18.5,10.7) 92(15.42,10.7) 93(18.5,11.1) 94(15.42,11.1) 95(18.5,11.5) 96(15.42,11.5) 97(18.5,11.9) 98(15.42,11.9) 99(18.5,12.3) 100(15.42,12.3) 101(-15.42,-7.3) 102(-18.5,-7.3) 103(-15.42,-6.9) 104(-18.5,-6.9) 105(-15.42,-6.5) 106(-18.5,-6.5) 107(-15.42,-6.1) 108(-18.5,-6.1) 109(-15.42,-5.7) 110(-18.5,-5.7) 111(-15.42,-5.3) 112(-18.5,-5.3) 113(-15.42,-4.9) 114(-18.5,-4.9) 115(-15.42,-4.5) 116(-18.5,-4.5) 117(-15.42,-4.1) 118(-18.5,-4.1) 119(-15.42,-3.7) 120(-18.5,-3.7) 121(-15.42,-3.3) 122(-18.5,-3.3) 123(-15.42,-2.9) 124(-18.5,-2.9) 125(-15.42,-2.5) 126(-18.5,-2.5) 127(-15.42,-2.1) 128(-18.5,-2.1) 129(-15.42,-1.7) 130(-18.5,-1.7) 131(-15.42,-1.3) 132(-18.5,-1.3) 133(-15.42,-0.9) 134(-18.5,-0.9) 135(-15.42,-0.5) 136(-18.5,-0.5) 137(-15.42,-0.1) 138(-18.5,-0.1) 139(-15.42,0.3) 140(-18.5,0.3) 141(-15.42,0.7) 142(-18.5,0.7) 143(-15.42,1.1) 144(-18.5,1.1) 145(-15.42,1.5) 146(-18.5,1.5) 147(-15.42,1.9) 148(-18.5,1.9) 149(-15.42,2.3) 150(-18.5,2.3) 151(-15.42,2.7) 152(-18.5,2.7) 153(-15.42,3.1) 154(-18.5,3.1) 155(-15.42,3.5) 156(-18.5,3.5) 157(-15.42,3.9) 158(-18.5,3.9) 159(-15.42,4.3) 160(-18.5,4.3) 161(-15.42,4.7) 162(-18.5,4.7) 163(-15.42,5.1) 164(-18.5,5.1) 165(-15.42,5.5) 166(-18.5,5.5) 167(-15.42,5.9) 168(-18.5,5.9) 169(-15.42,6.3) 170(-18.5,6.3) 171(-15.42,6.7) 172(-18.5,6.7) 173(-15.42,7.1) 174(-18.5,7.1) 175(-15.42,7.5) 176(-18.5,7.5) 177(-15.42,7.9) 178(-18.5,7.9) 179(-15.42,8.3) 180(-18.5,8.3) 181(-15.42,8.7) 182(-18.5,8.7) 183(-15.42,9.1) 184(-18.5,9.1) 185(-15.42,9.5) 186(-18.5,9.5) 187(-15.42,9.9) 188(-18.5,9.9) 189(-15.42,10.3) 190(-18.5,10.3) 191(-15.42,10.7) 192(-18.5,10.7) 193(-15.42,11.1) 194(-18.5,11.1) 195(-15.42,11.5) 196(-18.5,11.5) 197(-15.42,11.9) 198(-18.5,11.9) 199(-15.42,12.3) 200(-18.5,12.3)
  silkscreen extent -20,-27.5 20,27.5, body extent -18.64,-8.8 18.64,13.8, height 2.9
OSC_3225_4P_R [mm]
  rrect20% 1.4x1.15 smd: 1(-1.1,-0.8)
  rrect50% 1.4x1.15 smd: 2(1.1,-0.8) 3(1.1,0.8) 4(-1.1,0.8)
  silkscreen extent -2.35,-1.25 0.15,1.25, body extent -1.6,-1.25 1.6,1.25, height 0.61
PCB_BLANK_COMP_SMD [mm]
  round 0.1 on Mech16: SMD(0,0)
PCB_CARD_EDGE_PCIE_64P [mm]
  rect 0.7x3.2 smd far side paste-10: A01(0,0.5)
  rect 0.7x4.2 smd far side paste-10: A02(1,0) A03(2,0) A04(3,0) A05(4,0) A06(5,0) A07(6,0) A08(7,0) A09(8,0) A10(9,0) A11(10,0) A12(13,0) A13(14,0) A14(15,0) A15(16,0) A16(17,0) A17(18,0) A18(19,0) A19(20,0) A20(21,0) A21(22,0) A22(23,0) A23(24,0) A24(25,0) A25(26,0) A26(27,0) A27(28,0) A28(29,0) A29(30,0) A30(31,0) A31(32,0) A32(33,0)
  rect 0.7x4.2 smd paste-10: B01(0,0) B02(1,0) B03(2,0) B04(3,0) B05(4,0) B06(5,0) B07(6,0) B08(7,0) B09(8,0) B10(9,0) B11(10,0) B12(13,0) B13(14,0) B14(15,0) B15(16,0) B16(17,0) B18(19,0) B19(20,0) B20(21,0) B21(22,0) B22(23,0) B23(24,0) B24(25,0) B25(26,0) B26(27,0) B27(28,0) B28(29,0) B29(30,0) B30(31,0) B32(33,0)
  rect 0.7x3.2 smd paste-10: B17(18,0.5) B31(32,0.5)
PCB_FID_RND_100x300 [mm]
  round 1 smd paste-10 mask+1: 0(0,0)
  L1 [TOP] pour cut-out: -1.6,0 -1.478,-0.612 -1.131,-1.131 -0.612,-1.478 0,-1.6 0,-1.6 0.612,-1.478 1.131,-1.131 1.478,-0.612 1.6,0 1.6,0 1.478,0.612 1.131,1.131 0.612,1.478 0,1.6 0,1.6 -0.612,1.478 -1.131,1.131 -1.478,0.612 -1.6,0
  L1 [TOP] keep-out circle w0.05: c0,0 r1.5
PCB_MH_H270_C600 [mm]
  round 0 hole 2.7 unplated mask+3: 0(0,0)
  Keep-Out Layer circle w0.05: c0,0 r3
PCB_MH_H320_C700 [mm]
  round 7 hole 3.2: MH(0,0)
PCB_STACKUP-4L [mm]
  L1 [TOP] pour cut-out: -0.1,3.1 10.4,3.1 10.4,-0.1 -0.1,-0.1
  L1 [TOP] lines w0.305: 0.152,0.152 0.152,2.845 2.413,2.845 2.413,0.152 0.152,0.152
  L2 pour cut-out: 10.4,3.1 -0.1,3.1 -0.1,-0.1 10.4,-0.1
  L2 lines w0.305: 2.718,0.152 4.978,0.152 4.978,2.845 2.718,2.845 2.718,0.152
  L3 pour cut-out: 10.4,3.1 -0.1,3.1 -0.1,-0.1 10.4,-0.1
  L3 lines w0.305: 5.283,0.152 5.283,2.845 7.544,2.845 7.544,0.152 5.283,0.152
  L4 [BOT] pour cut-out: 10.4,3.1 -0.1,3.1 -0.1,-0.1 10.4,-0.1
  L4 [BOT] lines w0.305: 7.849,0.152 10.109,0.152 10.109,2.845 7.849,2.845 7.849,0.152
  Keep-Out Layer region: 0,0 10.262,0 10.262,2.997 0,2.997
PCB_TP_DBG_50 [mm] "Testpoint"
  round 0.5 smd paste-10: 1(0,0)
PCB_TP_ICT_100 [mm] "testpoint"
  round 1 smd paste-10: 1(0,0)
PCB_WRT_9774030151 [mm] "SMT Steel Spacer with internal Thread M2.5, height 3mm"
  round 6 / inner round 0 / far side round 0 hole 3.7 unplated: 1(0,0)
  body extent -2.55,-2.55 2.55,2.55, height 3
PKG_SOT23-3_TO236 [mm]
  rrect50% 0.8x0.9 smd: 1(-0.95,-1.05) 2(0.95,-1.05) 3(0,1.05)
  silkscreen extent -1.45,-0.65 1.45,0.65, body extent -1.44,-1.22 1.44,1.22, height 1
PKG_SOT23-3L_SC59_P190_R [mm]
  rrect50% 0.9x1.4 smd: 1(-0.95,-1.075) 2(0.95,-1.075) 3(0,1.075)
  silkscreen extent -1.5,0 1.5,0.75, body extent -1.5,-1.4 1.5,1.4, height 1.25
PKG_SOT23-6 [mm]
  rrect50% 0.6x0.9 smd: 1(-0.95,-1.2) 2(0,-1.2) 3(0.95,-1.2) 4(0.95,1.2) 5(0,1.2) 6(-0.95,1.2)
  silkscreen extent -1.45,-2.2 1.45,0.5, body extent -1.45,-1.4 1.45,1.4, height 1.45
PKG_SOT523_SC75_SOT416_P100_R [mm]
  rrect50% 0.5x0.6 smd: 1(-0.5,-0.65) 2(0.5,-0.65) 3(0,0.65)
  silkscreen extent -0.8,-0.1 0.8,0.5, body extent -0.8,-0.79 0.8,0.81, height 0.79
RES_0603_R [mm]
  rrect50% 0.75x0.8 smd: 1(-0.75,0) 2(0.75,0)
  silkscreen extent -0.15,-0.4 0.15,0.4, body extent -0.8,-0.4 0.8,0.4, height 0.3
RES_0805_R [mm]
  rrect40% 0.85x1.25 smd: 1(-0.95,0) 2(0.95,0)
  silkscreen extent -0.25,-0.6 0.25,0.6, body extent -1,-0.6 1,0.6, height 0.4
RES_1206_R [mm]
  rrect50% 1.1x1.7 smd: 1(-1.35,0) 2(1.35,0)
  silkscreen extent -0.5,-0.8 0.5,0.8, body extent -1.6,-0.8 1.6,0.8, height 0.6
SWI_XKB_SS-3292S-L1 [mm]
  rrect50% 0.9x1.2 smd: 1(-2.25,2.05) 2(0.75,2.05) 3(2.25,2.05)
  round 0 hole 0.9 unplated mask+0.1: MH1(-1.5,0) MH1(1.5,0)
  rrect50% 0.8x0.9 smd: SH(-3.8,1.1) SH(-3.8,-1.1) SH(3.8,-1.1) SH(3.8,1.1)
  silkscreen extent -3.3,-1.35 3.3,1.35, body extent -3.9,-1.38 3.9,2.37, height 2.9